# Altium PCB Communication-Shield.PcbDoc (continued)
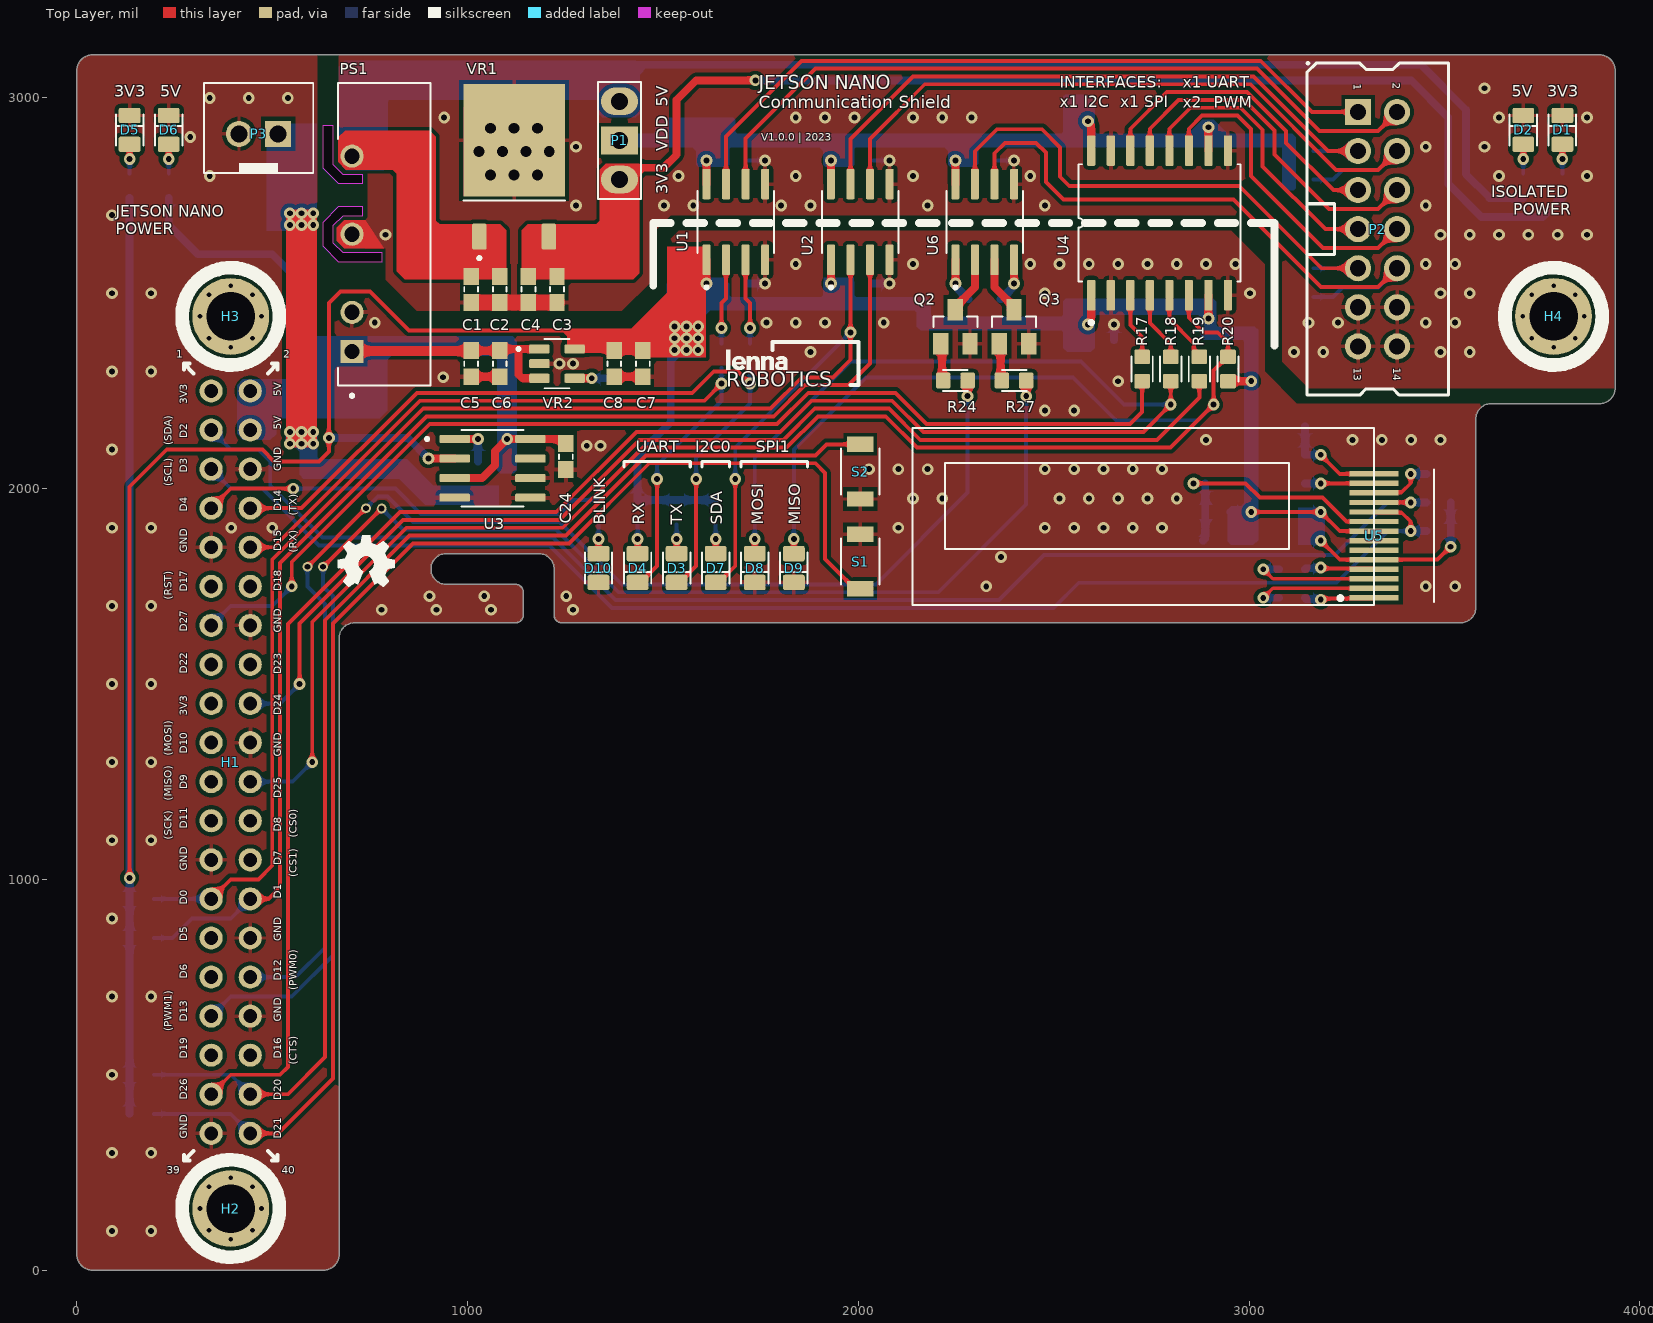
[diagram p0: Top Layer view]
## Footprints (in the part's own frame and the unit in brackets; to place one, negate y for a bottom-side part, rotate by r counter-clockwise, add the part's x,y. Pads: shape width x height; smd on the part's side, far side on the other; paste and mask are expansions set on the pad) (continued)
SOIC-16 [mil] "SOIC-16 Package"
  rrect25% 78x21 smd: 1(-185,175) 2(-185,125) 3(-185,75) 4(-185,25) 5(-185,-25) 6(-185,-75) 7(-185,-125) 8(-185,-175) 9(185,-175) 10(185,-125) 11(185,-75) 12(185,-25) 13(185,25) 14(185,75) 15(185,125) 16(185,175)
  silkscreen extent -260,-207 150,207, body extent -203,-204 203,204, height 104
SOT23-5 [mm] "SOT23-5L Package"
  rrect25% 1.32x0.59 smd: 1(-1.145,0.95) 2(-1.145,0) 3(-1.145,-0.95) 4(1.145,-0.95) 5(1.145,0.95)
  silkscreen extent -2.6,-1.6 0.8,1.6, body extent -1.4,-1.48 1.4,1.47, height 1.19
SOT-23 [mm] "SOT-23 Package"
  rect 1x1.4 smd: 1(0,1.1) 2(-0.95,-1.1) 3(0.95,-1.1)
  silkscreen extent -1.42,0 1.42,0.66, body extent -1.45,-1.2 1.45,1.2, height 1.14
"SSD1306 OLED 0.91\"" [mm] "SSD1306 OLED 0.91\""
  rect 3.2x0.35 smd paste+0: 1(30.002,-11.031) 2(30.002,-10.411) 3(30.002,-9.791) 4(30.002,-9.171) 5(30.002,-8.551) 6(30.002,-7.931) 7(30.002,-7.311) 8(30.002,-6.691) 9(30.002,-6.071) 10(30.002,-5.451) 11(30.002,-4.831) 12(30.002,-4.211) 13(30.002,-3.591) 14(30.002,-2.971)
  silkscreen extent 0,-11.5 33.91,0, body extent 0,-11.51 34.07,0, height 0.51
"Tactile Switch SMD - 2" [mm] "2.5*3mm"
  rect 1x1.7 smd: 1(-1.778,0) 2(1.778,0)
  silkscreen extent -1.5,-1.25 1.5,1.25, body extent -2,-1.25 2,1.25, height 1.75
"XH Connector 2-Pin" [mm]
  rect 1.7x1.7 hole 1.1: 1(0,0)
  round 1.7 hole 1.1: 2(2.54,0)
  silkscreen extent -2.29,-3.3 4.83,2.54, body extent -2.32,-3.35 4.86,2.49, height 7.21

## Part data
C1 C2 C3 C4 C5 C6 C7 C8 C9 C10 C11 C12 C13 C14 C15 C16 C17 C18 C19 C20 C21 C22 C23 C24 C25 C26 C27 C28 C29 C30 C31 C32 C33 C34 C35: "Capacitor", LatestRevisionDate=17-Jul-2002, LatestRevisionNote="Re-released for DXP Platform.", PackageDescription="Radial Cap, Thru-Hole; 2 Leads; 0.3 in Pin Spacing", PackageReference=RAD-0.3, Published=8-Jun-2000, Publisher="Altium Limited"
D1 D2 D3 D4 D5 D6 D7 D8 D9 D10: library part LED2, "Typical RED, GREEN, YELLOW, AMBER GaAs LED", LatestRevisionDate=17-Jul-2002, LatestRevisionNote="Re-released for DXP Platform.", PackageDescription="SM LED; 2 Flat Leads", PackageReference=3.2X1.6X1.1, PackageVersion=Feb-2002, Published=8-Jun-2000, Publisher="Altium Limited"
D11: library part Diode, "Default Diode", Code_JEDEC=DO-214-AB, LatestRevisionDate=17-Jul-2002, LatestRevisionNote="Re-released for DXP Platform.", PackageDescription="DO-214-AB/SMC; 2 C-Bend Leads; Body 7.9 x 5.9 mm, inc. leads (LxW)", PackageReference=SMC, PackageVersion=Sep-1996, Published=8-Jun-2000, Publisher="Altium Limited"
H2 H3 H4: "PCB MOUNTING SCREW"
P1: "Header, 3-Pin", LatestRevisionDate=17-Jul-2002, LatestRevisionNote="Re-released for DXP Platform.", Publisher="Altium Limited"
P2: "Header, 7-Pin, Dual row", LatestRevisionDate=17-Jul-2002, LatestRevisionNote="Re-released for DXP Platform.", Publisher="Altium Limited"
P3: "Header, 2-Pin", LatestRevisionDate=17-Jul-2002, LatestRevisionNote="Re-released for DXP Platform.", Publisher="Altium Limited"
PS1: "Compact, isolated DC-DC Converter module"
Q1: "P-Channel MOSFET", LatestRevisionDate=17-Jul-2002, LatestRevisionNote="Re-released for DXP Platform.", PackageDescription="TO, Flat Index; 3 In-Line, Axial Leads; Body Dia. 4.6mm; Lead Dia. 0.5 mm (max)", PackageReference=E3, PackageVersion=1995/1996, Published=8-Jun-2000, Publisher="Altium Limited"
Q2 Q3: "NPN Bipolar Transistor", Code_JEDEC=TO-226-AA, LatestRevisionDate=17-Jul-2002, LatestRevisionNote="Re-released for DXP Platform.", PackageDescription="TO, Flat Index; 3 In-Line, Axial Leads; Body Dia. 4.8mm; Leads 0.55 x 0.51 mm (max)", PackageReference=TO-226-AA, Published=8-Jun-2000, Publisher="Altium Limited"
R1 R2 R3 R4 R5 R6 R7 R8 R9 R10 R11 R12 R13 R14 R15 R16 R17 R18 R19 R20 R21 R22 R23 R24 R25 R26 R27 R28 R29 R30 R31 R32: "Resistor", LatestRevisionDate=17-Jul-2002, LatestRevisionNote="Re-released for DXP Platform.", PackageDescription="Axial Device, Thru-Hole; 2 Leads; 0.3 in Pin Spacing", PackageReference=AXIAL-0.3, Published=8-Jun-2000, Publisher="Altium Limited"
S1 S2: "Switch", LatestRevisionDate=17-Jul-2002, LatestRevisionNote="Re-released for DXP Platform.", PackageDescription="Switch; 2 Leads", PackageReference=SPST-2, Published=24-Mar-1999, Publisher="Altium Limited"
U1: "Dual-Channel, Digital Isolators, Enhanced System-Level ESD Reliability"
U2: "Hot Swappable, Dual I2C Isolators"
U3: "2-Channel, 1MHz, industry standard, 32V Op-Amp"
U4: "Quad-Channel Digital Isolators"
U5: "This is a general OLED display Module, 0.91inch diagonal, 128x32 pixels, with embedded controller, communicating via I2C interface."
U6: "optocouplers consist of an AlGaAs LED optically coupled to a / high speed photodetector transistor."
VR1: "Very low drop voltage regulator with inhibit function"
VR2: "Ultra low drop and low noise BiCMOS voltage regulators"

## Via types
v1: diameter 30, hole 15, Top Layer to Bottom Layer, tented both sides, 226 vias
v2: diameter 50, hole 28, Top Layer to Bottom Layer, tented bottom, 10 vias
v3: diameter 25, hole 15, Top Layer to Bottom Layer, tented both sides, 4 vias

## Nets (pads, with @x,y where several pads share a name; then routed paths per layer and width w, separated by ;. In a path a pad name is that pad's centre, name@x,y a point inside that pad or via, vN(x,y) a via of type N, cw(c..) or ccw(c..) an arc to the next point about the centre after c; other vN are vias at no path point)
+3.3: C7.2 C8.2 C17.1 C22.1 C25.1 C33.1 C34.1 D11.2 R3.1 R5.1 R6.1 R7.1 R12.2 R13.2 R20.1 R21.2 R22.2 R23.2 R26.1 R30.1 R31.1 R32.1 U1.1 U2.1 U3.2 U4.1 U4.7 U5.5 U5.8 VR2.5 | length 7487.4
  Top Layer w10: v1(135,1003.75) 135,2005 230,2100 475,2100 505,2070 620,2070 645,2095 v1(645,2130) 645,2475 675,2505 750,2505 850,2405 1255,2405 1265,2395 1270,2395 ; v1(3005.88,1940.27) v1(3183.46,1940.27) 3232.28,1891.45 U5.8 ; v1(3183.46,1867.05) 3232.28,1818.23 U5.5 3482.88,1818.23 v1(3516.1,1851.45)
  Top Layer w20: v1(900,2077.11) U3.2 ; VR2.5@1259.55,2357.4 VR2.5 1371.36,2357.4 C8.2 C7.2 ; v1(1611.42,2525.2) U1.1 ; v1(1930,2525.2) U2.1 ; v1(2587.69,2420) 2587.69,2425.41 2596.15,2433.88 U4.1 ; v1(2896.15,2435.55) U4.7 ; R20.1 v1(3005.88,2275.24)
  Bottom Layer w20: R22.2 R21.2 R13.2 R12.2 v1(135,1003.75) R3.1 ; v1(645,2130) 847.11,2130 v1(900,2077.11) ; v1(1530,2355) 1520,2355 1520,2170 1435,2085 R6.1 R5.1 R7.1 ; R32.1 R32.1@2960.91,1932 ; R32.1@2960.91,1940.27 v1(3005.88,1940.27) ; v1(3183.46,1867.05) C34.1 C33.1 v1(3183.46,1940.27) ; v1(3516.1,1851.45) R30.1 R31.1
  other v1: 1560,2355 1590,2355 1530,2385 1560,2385 1590,2385 1530,2415 1560,2415 1590,2415
+3V3_SIG: C3.2 C4.2 P1.3 R1.1 VR1.3 | length 3008.1
  Top Layer w10: C4.2 C3.2 1228.84,2584.79 1216.82,2596.81 1216.82,2636.49 VR1.3
  Top Layer w20: P1.3@1417.17,2821.39 1501.39,2821.39 1535,2855 1535,2995 1585,3045 v1(1736.42,3045)
  Bottom Layer w20: v1(1736.42,3045) 3415,3045 3510,2950 3510,2780 3595,2695 3751.26,2695 3800.43,2744.17 R1.1
+5V_PWR: C19.1 C20.1 C21.1 P3.1 Q1.1
  other v1: 545,2115 575,2115 605,2115 545,2145 575,2145 605,2145 545,2675 575,2675 605,2675 545,2705 575,2705 605,2705
+5V_SIG: C1.2 C2.2 C15.1 C16.1 P1.1 PS1.6 R2.1 VR1.1 | length 2719.8
  Top Layer w10: VR1.1 1021.18,2636.49 1021.18,2596.81 1009.16,2584.79 C1.2 C2.2
  Bottom Layer w20: 1410,3070 1425,3085 3440,3085 3555,2970 3555,2805 3615.83,2744.17 R2.1
CS0_JET: H1.18 R19.2 | length 2952.8
  Top Layer w10: v1(570,1500) 570,1654.85 835.15,1920 1235.15,1920 1440.15,2125 1808.43,2125 1888.43,2205 2078.43,2205 2158.43,2125 2765,2125 2872.93,2232.93 R19.2
  Bottom Layer w10: H1.18 520,1450 v1(570,1500)
CTS_JET: H1.36
D18: H1.12
D19: H1.35
GND: C5.1 C6.1 C7.1 C8.1 C12.1 C13.2 C14.2 C17.2 C19.2 C20.2 C21.2 C22.2 C24.2 C25.2 C30.2 C31.2 C32.2 C33.2 C34.2 C35.2 D5.2 D6.2 D8.2 D9.2 D10.2 H1.6 H1.9 H1.14 H1.20 H1.25 H1.30 H1.34 H1.39 P3.2 PS1.2 Q2.3 Q3.3 R25.1 S1.2 S2.2 U1.4 U2.4 U3.4 U3.5 U3.6 U4.2 U4.8 U5.7 VR2.2 | length 269.5
  Top Layer w20: C5.1 C6.1 ; C8.1 C7.1
  Bottom Layer w20: C17.2 v1(1761.42,2525.2) ; C22.2 v1(2080,2525.2) ; C25.2 v1(2654.62,2420)
  other v1: 90,100 190,100 90,300 190,300 90,500 90,700 190,700 90,900 90,1100 190,1100 90,1300 190,1300 90,1500 190,1500 780,1690 920,1690 1060,1690 1270,1690 90,1700 190,1700 902.5,1725 1042.5,1725 1252.5,1725 2327.5,1750 3452.5,1750 3527.5,1750 2365,1825 90,1900 190,1900 395,1900 500,1900 2102.5,1900 2477.5,1900 2552.5,1900 2627.5,1900 2702.5,1900 2777.5,1900 2140,1975 2215,1975 2515,1975 2590,1975 2665,1975 2740,1975 2815,1975 2027.5,2050 2102.5,2050 2177.5,2050 2477.5,2050 2552.5,2050 2627.5,2050 2702.5,2050 2777.5,2050 90,2100 1305,2110 1340,2110 2890,2125 3265,2125 3340,2125 3415,2125 3490,2125 2477.5,2200 2552.5,2200 2665,2275 937.5,2285 90,2300 190,2300 1235,2320 1270,2320 1877.5,2350 762.5,2425 1765,2425 1840,2425 1915,2425 2065,2425 90,2500 190,2500 2477.5,2500 3002.5,2500 1840,2575 2140,2575 2440,2575 2515,2575 2590,2575 2665,2575 2740,2575 2815,2575 2890,2575 2965,2575 90,2700 340,2800 290,2900 340,3000 440,3000 540,3000
GND_SIG: C1.1 C2.1 C3.1 C4.1 C9.2 C10.2 C11.2 C15.2 C16.2 C18.2 C23.2 C26.2 C27.2 D1.2 D2.2 P2.11 P2.12 P2.13 P2.14 PS1.4 R28.2 R29.2 U1.5 U2.5 U4.9 U4.15 U6.5 VR1.2 | length 344.3
  Top Layer w40: C1.1 C2.1 C4.1 C3.1
  Bottom Layer w10: C18.2 v1(1761.42,2840) ; C23.2 v1(2080,2840) ; C27.2 v1(2398.58,2840)
  other v1: 3115,2350 3190,2350 3490,2350 3565,2350 3152.5,2425 3227.5,2425 3452.5,2425 3527.5,2425 3490,2500 3565,2500 3452.5,2575 3527.5,2575 790,2650 3490,2650 3565,2650 3640,2650 3715,2650 3790,2650 3865,2650 1277.5,2725 1502.5,2725 1577.5,2725 1802.5,2725 1877.5,2725 2177.5,2725 2477.5,2725 3452.5,2725 1540,2800 1840,2800 2140,2800 2440,2800 3640,2800 3865,2800 1277.5,2875 3452.5,2875 3602.5,2875 940,2950 1840,2950 1915,2950 1990,2950 2140,2950 2215,2950 2290,2950 3640,2950 3865,2950 3602.5,3025
  other v2: 1059,2802.5 1119,2802.5 1179,2802.5 1029,2862.5 1089,2862.5 1149,2862.5 1209,2862.5 1059,2922.5 1119,2922.5 1179,2922.5
I2C2_SCL: H1.5 R30.2 U5.10 | length 3476.8
  Top Layer w10: U5.10 3321.89,1938.38 3390.98,1938.38 3413.9,1915.46 v1(3413.9,1891.45)
  Bottom Layer w10: H1.5 393.7,2000 475,2000 620,1855 1210,1855 1370,1695 2500,1695 2564.13,1759.13 3224.13,1759.13 3356.45,1891.45 v1@3423.9,1891.45
  Bottom Layer w20: v1(3413.9,1891.45) R30.2
I2C2_SDA: H1.3 R31.2 U5.11 | length 3523.9
  Top Layer w10: U5.11 v1(3413.9,1964.68)
  Bottom Layer w10: H1.3 393.7,2100 465,2100 495,2070 495,2008.28 628.28,1875 1218.43,1875 1378.43,1715 2360,1715 2475,1830 3220,1830 3354.68,1964.68 v1(3413.9,1964.68) v1@3423.9,1964.68
  Bottom Layer w20: v1@3423.9,1964.68 R31.2
LED_BLINK: H1.7 R16.1 | length 1053.8
  Top Layer w10: H1.7 393.7,2000 v1(553.7,2000)
  Bottom Layer w10: v1(553.7,2000) 815,2000 880,1935 1235,1935 1270.83,1970.83 R16.1
MISO_JET: H1.22 R10.1 R20.2 U4.6 | length 4842.7
  Top Layer w10: v1(602.5,1300) 602.5,1659.07 843.43,1900 1243.43,1900 1448.43,2105 1816.72,2105 1896.72,2185 2070.15,2185 2150.15,2105 2799.3,2105 v1(2909.54,2215.24) 2909.54,2302.4 R20.2@2945,2337.86 ; U4.6 2846.15,2437.44 2883.59,2400 2920,2400 2946.15,2373.85 R20.2
  Bottom Layer w10: H1.22 552.5,1250 v1(602.5,1300) ; R10.1 1835,2100 2020,2285 2550,2285 2660,2175 2869.3,2175 v1(2909.54,2215.24)
MISO_SIG: P2.8 U4.11 | length 833.9
  Top Layer w10: U4.11 2846.15,2921.15 2880,2955 2970.29,2955 3005,2920.29 3005,2800 3189.25,2615.75 3330.64,2615.75 P2.8
MOSI_JET: H1.37 R8.1 R18.2 | length 5298
  Top Layer w10: H1.37 393.7,500 520,500 540,520 540,1653.14 826.86,1940 1226.86,1940 1431.86,2145 1800.15,2145 1880.15,2225 2086.72,2225 2166.72,2145 2729.46,2145 v1(2799.7,2215.24) R18.2
  Bottom Layer w10: R8.1 1735,2080 1980,2325 2570,2325 2679.76,2215.24 v1(2799.7,2215.24)
MOSI_SIG: P2.6 U4.13 | length 891.4
  Top Layer w10: U4.13 2746.15,2921.15 2820,2995 2986.86,2995 3065,2916.86 3065,2855 3204.25,2715.75 3330.64,2715.75 P2.6
NetC12_2: C12.2 VR2.4 | length 87.6
  Top Layer w20: VR2.4 v1(1317.73,2282.6)
  Bottom Layer w20: v1(1317.73,2282.6) C12.2
NetC28_1: C28.1 U5.1 | length 180.3
  Top Layer w10: v1(3183.46,1716) 3186.16,1718.7 3318.11,1718.7 U5.1
  Bottom Layer w20: C28.1 3146.14,1717.91 3181.55,1717.91 v1(3183.46,1716)
NetC28_2: C28.2 U5.2 | length 333.6
  Top Layer w8: v1(3036.54,1720.59) 3060.95,1745 U5.2
  Bottom Layer w20: v1(3036.54,1720.59) C28.2
NetC29_1: C29.1 U5.3 | length 333.6
  Top Layer w8: v1(3036.54,1793.82) 3060.95,1769.41 U5.3
  Bottom Layer w20: v1(3036.54,1793.82) C29.1
NetC29_2: C29.2 U5.4 | length 180.3
  Top Layer w10: v1(3183.46,1798.41) 3186.16,1795.71 3318.11,1795.71 U5.4
  Bottom Layer w20: C29.2 3146.14,1796.5 3181.55,1796.5 v1(3183.46,1798.41)
NetC30_1: C30.1 U5.13 | length 176.5
  Top Layer w10: v1(3183.46,2013.5) U5.13
  Bottom Layer w20: C30.1 v1(3183.46,2013.5)
NetC31_1: C31.1 C32.1 U5.14 | length 270
  Top Layer w10: v1(3183.46,2086.73) 3232.28,2037.91 U5.14
  Bottom Layer w20: C32.1 C31.1 v1(3183.46,2086.73)
NetC35_1: C35.1 D11.1 R32.2 U5.9 | length 681.7
  Top Layer w10: v1(2858.07,2013.5) 2991.5,2013.5 3028.07,1976.93 3188.07,1976.93 3249.02,1915.98 U5.9@3319.88,1915.98
  Bottom Layer w6: v1(2858.07,2013.5) C35.1
  Bottom Layer w20: D11.1 2883.23,1867.05 2888.07,1871.89 C35.1
NetD1_1: D1.1 R1.2 | length 75
  Top Layer w10: v1(3802.01,2843.88) D1.1
  Bottom Layer w10: R1.2 v1(3802.01,2843.88)
NetD2_1: D2.1 R2.2 | length 75
  Top Layer w10: v1(3702.01,2843.88) D2.1
  Bottom Layer w10: R2.2 v1(3702.01,2843.88)
NetD3_1: D3.1 R5.2 | length 75
  Top Layer w10: D3.1 v1(1535,1871.12)
  Bottom Layer w10: v1(1535,1871.12) R5.2
NetD4_1: D4.1 R6.2 | length 75
  Top Layer w10: D4.1 v1(1435,1871.12)
  Bottom Layer w10: v1(1435,1871.12) R6.2
NetD5_1: D5.1 R3.2 | length 75
  Top Layer w10: v1(135,2843.88) D5.1
  Bottom Layer w10: R3.2 v1(135,2843.88)
NetD6_1: D6.1 R4.2 | length 75
  Top Layer w10: v1(235,2843.88) D6.1
  Bottom Layer w10: R4.2 v1(235,2843.88)
NetD7_1: D7.1 R7.2 | length 75
  Top Layer w10: D7.1 v1(1635,1871.12)
  Bottom Layer w10: v1(1635,1871.12) R7.2
NetD8_1: D8.1 R8.2 | length 75
  Top Layer w10: D8.1 v1(1735,1871.12)
  Bottom Layer w10: v1(1735,1871.12) R8.2
NetD9_1: D9.1 R10.2 | length 75
  Top Layer w10: D9.1 v1(1835,1871.12)
  Bottom Layer w10: v1(1835,1871.12) R10.2
NetD10_1: D10.1 R16.2 | length 75
  Top Layer w10: D10.1 v1(1335,1871.12)
  Bottom Layer w10: v1(1335,1871.12) R16.2
NetQ1_2: Q1.2 U3.1 | length 116.9
  Top Layer w20: U3.1 v1(1026.42,2127.11)
  Bottom Layer w20: Q1.2 v1(1026.42,2127.11)
NetQ2_1: Q2.1 U6.2 | length 148.9
  Top Layer w20: Q2.1 2248.58,2465.32 2298.58,2515.32 U6.2
NetQ2_2: Q2.2 R24.1 | length 96.6
  Top Layer w20: Q2.2 2214.32,2367.68 2214.32,2279.96 R24.1
NetQ3_1: Q3.1 U6.3 | length 148.9
  Top Layer w20: U6.3 2348.58,2515.32 2398.58,2465.32 Q3.1
NetQ3_2: Q3.2 R27.1 | length 96.6
  Top Layer w20: Q3.2 2364.32,2367.68 2364.32,2279.96 R27.1
NetR9_1: R9.1 U1.2 | length 219.3
  Top Layer w10: v1(1649.81,2411.1) 1649.81,2474.81 1661.42,2486.42 U1.2
  Bottom Layer w10: R9.1 v1(1649.81,2411.1)
NetR11_1: R11.1 U1.3 | length 219.3
  Top Layer w10: U1.3 1711.42,2486.42 1723.04,2474.81 v1(1723.04,2411.1)
  Bottom Layer w10: R11.1 v1(1723.04,2411.1)
NetR17_1: R17.1 U4.3 | length 170.4
  Top Layer w10: U4.3 2696.15,2418.85 2726.47,2388.53 R17.1
NetR18_1: R18.1 U4.4 | length 180
  Top Layer w10: U4.4 2746.15,2423.85 2799.7,2370.3 R18.1
NetR19_1: R19.1 U4.5 | length 189.8
  Top Layer w10: U4.5 2796.15,2433.85 2859.06,2370.94 2859.06,2350.94 2872.56,2337.44 R19.1
NetR23_1: R23.1 U6.1 | length 115.7
  Top Layer w20: v1(2248.58,2525) U6.1
  Bottom Layer w20: v1(2248.58,2525) 2250.49,2523.09 2250.49,2515.85 2281.34,2485 R23.1
NetR25_2: R25.2 U5.12 | length 168.2
  Top Layer w10: U5.12 3321.89,1990.98 3390.98,1990.98 3413.9,2013.9 v1(3413.9,2037.91)
  Bottom Layer w20: v1(3413.9,2037.91) R25.2
NetR26_2: R26.2 U6.4 | length 115.7
  Top Layer w20: v1(2398.58,2525) U6.4
  Bottom Layer w20: R26.2 2365.82,2485 2396.66,2515.85 2396.66,2523.09 v1(2398.58,2525)
PWM0_JET: H1.32 R24.2 | length 3457.8
  Top Layer w10: v3(590,1800) v3(740,1950)
  Top Layer w20: v1(2279.68,2236.81) R24.2
  Bottom Layer w10: H1.32 560,750 635,825 635,1705 590,1750 v3(590,1800) ; v3(740,1950) 770,1980 795,1980 860,1915 1235,1915 1395,1755 2045,1755 2279.68,1989.68 v1(2279.68,2236.81)
PWM0_SIG: P2.9 R29.1 U6.7 | length 1393.2
  Top Layer w10: U6.7 2298.58,2863.58 2355,2920 2470,2920 2516.64,2873.36 2516.64,2798.36 2540,2775 2975,2775 3185.79,2564.21 P2.9
  Bottom Layer w10: R29.1 P2.9
PWM2_JET: H1.33 R27.2 | length 3741.4
  Top Layer w10: v3(630,1800) 630.31,1800 779.69,1949.37 v3(780,1949.37)
  Top Layer w20: v1(2429.68,2236.81) R27.2
  Bottom Layer w10: H1.33 393.7,700 550,700 655,805 655,1725 630,1750 v3(630,1800) ; v3(780,1949.37) 834.37,1895 1226.72,1895 1386.72,1735 2205,1735 2429.68,1959.68 v1(2429.68,2236.81)
PWM2_SIG: P2.10 R28.1 U6.6 | length 1581.8
  Top Layer w10: U6.6 2348.58,2858.58 2375,2885 2455,2885 2480,2860 2480,2785 2525,2740 2960,2740 3184.25,2515.75 3330.64,2515.75 P2.10
  Bottom Layer w10: R28.1 3214.94,2490.98 3238.95,2515 3329.89,2515 P2.10
RTS_JET: H1.11
RX_JET: D4.2 H1.10 R9.2 | length 2022.3
  Top Layer w10: H1.10 503.28,1850 878.28,2225 1605.91,2225 v1(1649.81,2268.9) ; D4.2 1443.27,1760 1485,1801.73 v1(1485,2025)
  Bottom Layer w10: v1(1485,2025) 1485,2060 1649.81,2224.81 v1(1649.81,2268.9) R9.2
RX_SIG: P2.1 U1.7 | length 1873.9
  Top Layer w10: U1.7 1661.42,2901.42 1855,3095 3030,3095 3160.79,2964.21 P2.1
SCK_JET: H1.13 R17.2 | length 2790.4
  Top Layer w10: v1(550,1750) 550,1811.86 903.14,2165 1791.86,2165 1871.86,2245 2095,2245 2175,2165 2695,2165 2726.47,2196.47 R17.2
  Bottom Layer w10: H1.13 393.7,1700 500,1700 v1(550,1750)
SCK_SIG: P2.5 U4.14 | length 799.2
  Top Layer w10: U4.14 2696.15,2921.15 2790,3015 2995.15,3015 3095,2915.15 3095,2885 3215.79,2764.21 P2.5
SCL_JET: H1.28 R13.1 U2.3 | length 3193.6
  Top Layer w10: H1.28 490,950 520,980 520,1810.15 894.85,2185 1783.58,2185 1863.58,2265 1975,2265 2030,2320 U2.3
  Bottom Layer w10: R13.1 245,850 295,900 393.7,900 H1.28
SCL_SIG: P2.4 R14.1 U2.6 | length 1877.8
  Top Layer w10: U2.6 2030,2895 2170,3035 3003.43,3035 3222.68,2815.75 3330.64,2815.75 P2.4
  Bottom Layer w10: R14.1 3214.94,2790.98 3238.95,2815 3329.89,2815 P2.4
SDA_JET: D7.2 H1.27 R12.1 U2.2 | length 3856.8
  Top Layer w10: H1.27 393.7,1000 465,1000 500,1035 500,1818.43 886.57,2205 1775.29,2205 1855.29,2285 1935,2285 1980,2330 v1(1980,2400) U2.2 ; D7.2 1643.27,1760 1685,1801.73 v1(1685,2025) v1@1685,2025.12
  Bottom Layer w10: R12.1 H1.27 ; v1(1685,2025) 1685,2105 v1(1980,2400)
SDA_SIG: P2.3 R15.1 U2.7 | length 1673.9
  Top Layer w10: U2.7 1980,2895 2140,3055 3011.72,3055 3202.5,2864.21 P2.3
  Bottom Layer w10: R15.1 P2.3
SS0_SIG: P2.7 U4.12 | length 744.7
  Top Layer w10: U4.12 2796.15,2921.15 2850,2975 2978.58,2975 3035,2918.58 3035,2825 3195.79,2664.21 P2.7
SW_1: H1.38 R21.1 S2.1 | length 3172.6
  Top Layer w10: H1.38 540,450 635,545 635,1663.28 851.72,1880 1251.72,1880 1456.72,2085 1890,2085 1918.52,2113.52 S2.1
  Bottom Layer w10: R21.1 393.7,500 H1.38
SW_2: H1.40 R22.1 S1.1 | length 3483.5
  Top Layer w10: H1.40 515,350 655,490 655,1655 860,1860 1260,1860 1465,2065 1890,2065 1915,2040 1915,1819.74 1991.22,1743.52 S1.1
  Bottom Layer w10: R22.1 393.7,400 H1.40
TX_JET: D3.2 H1.8 R11.2 | length 2068.8
  Top Layer w10: H1.8 575,1950 870,2245 1575,2245 1630,2300 1691.94,2300 v1(1723.04,2268.9) ; D3.2 1543.27,1760 1585,1801.73 v1(1585,2025)
  Bottom Layer w10: v1(1585,2025) 1585,2080 1723.04,2218.04 v1(1723.04,2268.9) R11.2
TX_SIG: P2.2 U1.6 | length 1945.1
  Top Layer w10: U1.6 1711.42,2896.42 1890,3075 3020,3075 3180,2915 3329.89,2915 P2.2
VCC: C5.2 C6.2 C13.1 C14.1 C24.1 H1.2 H1.4 PS1.1 Q1.3 R4.1 U3.3 U3.8 VR2.1 VR2.3 | length 1660.7
  Top Layer w20: U3.3 1037.11,2027.11 1070,2060 1070,2095.89 v1(1101.22,2127.11) U3.8 1241.7,2127.11 1251.38,2117.42 C24.1 ; C5.2 C6.2 1086.32,2357.4 1135.04,2357.4 ; VR2.3 1139.96,2282.6 1130,2292.55 1130,2352.36 1135.04,2357.4 ; VR2.1 1135.04,2357.4
  Top Layer w25: PS1.1@705.33,2352.32 1008.02,2352.32 C5.2
  Bottom Layer w20: R4.1 235,2675 310,2600 500,2600 565,2535 565,2347.11
  Bottom Layer w25: Q1.3 v1(1101.22,2127.11)
VDD_SIG: C9.1 C10.1 C11.1 C18.1 C23.1 C26.1 C27.1 P1.2 R14.2 R15.2 U1.8 U2.8 U4.10 U4.16 U6.8 | length 319.7
  Top Layer w20: U1.8 v1(1611.42,2840) ; U2.8 v1(1930,2840) ; U6.8 v1(2248.58,2840) ; v1(2587.69,2940.55) 2587.69,2937.85 2596.15,2929.38 U4.16 ; U4.10 v1(2896.15,2925)
pads on no net: H1.1 H1.15 H1.16 H1.17 H1.19 H1.21 H1.23 H1.24 H1.26 H1.29 H1.31 H2.S H3.S H4.S U3.7 U5.6

## Polygon pours and split planes (outlines as drawn)
GND on Top Layer "GND_L01_P003" (solid, remove dead copper, pour order 3): 39.37,3110.24 ccw(c39.37,3070.87) 0,3070.87 0,39.37 ccw(c39.37,39.37) 39.37,0 631.89,0 ccw(c631.89,39.37) 671.26,39.37 671.26,1617.32 cw(c710.63,1617.32) 710.63,1656.69 1122.87,1656.69 ccw(c1122.87,1676.38) 1142.56,1676.38 1142.56,1735.43 ccw(c1122.88,1735.43) 1122.87,1755.12 944.88,1755.12 cw(c944.88,1793.65) 906.35,1793.65 cw(c945.2,1795) 943.86,1833.86 1181.93,1833.86 cw(c1181.93,1794.49) 1221.3,1794.49 1221.3,1676.38 ccw(c1240.98,1676.38) 1240.98,1656.69 3541.34,1656.69 ccw(c3541.34,1696.06) 3580.71,1696.06 3580.71,2174.29 ccw(c3580,2174.29) 3580,2175 3580,2177.64 cw(c3620.08,2177.64) 3620.08,2217.72 3122.28,2217.72 3040,2300 3040,2575 2955,2660 1540,2660 1510,2630 1510,2500 1410,2400 855,2400 750,2505 675,2505 615,2565 615,3110
GND_SIG on Top Layer "GND_SIG_L01_P000" (solid, remove dead copper, pour order 0): 790,2535 870,2455 1395,2455 1470,2530 1470,2650 1520,2700 2980,2700 3085,2595 3085,2325 3152.91,2257.09 3935,2257.09 3935,3075 ccw(c3900.01,3075.01) 3900,3110 670,3110 670.02,3109.98 670.02,2834.98 690,2815 740,2815 745,2810 745,2694.29 737.77,2687.06 684.07,2687.06 665,2667.99 665,2635 684.8,2615.2 790,2615.2
GND on Bottom Layer "GND_L02_P004" (solid, remove dead copper, pour order 4): 39.37,3110.24 ccw(c39.37,3070.87) 0,3070.87 0,39.37 ccw(c39.37,39.37) 39.37,0 631.89,0 ccw(c631.89,39.37) 671.26,39.37 671.26,1617.32 cw(c710.63,1617.32) 710.63,1656.69 1122.87,1656.69 ccw(c1122.87,1676.38) 1142.56,1676.38 1142.56,1735.43 ccw(c1122.88,1735.43) 1122.87,1755.12 944.88,1755.12 cw(c944.88,1793.65) 906.35,1793.65 cw(c945.2,1795) 943.86,1833.86 1181.93,1833.86 cw(c1181.93,1794.49) 1221.3,1794.49 1221.3,1676.38 ccw(c1240.98,1676.38) 1240.98,1656.69 3541.34,1656.69 ccw(c3541.34,1696.06) 3580.71,1696.06 3580.71,2174.29 ccw(c3580,2174.29) 3580,2175 3580,2177.64 cw(c3620.08,2177.64) 3620.08,2217.72 3097.28,2217.72 3030,2285 3030,2595 2980,2645 1530,2645 1395,2510 780,2510 650,2510 610,2550 610,3110
GND_SIG on Bottom Layer "GND_SIG_L02_P002" (solid, remove dead copper, pour order 2): 670,3110 668.87,2836.13 688.69,2816.31 745,2816.31 745,2698.98 735.01,2687.06 684.07,2687.06 665,2667.99 665,2635 685,2615 1415,2615 1500,2700 3010,2700 3085,2625 3085,2315 3130,2270 3935,2270 3935,3075 ccw(c3900,3075) 3900,3110 670.03,3110

## Other copper
Top Layer:
  rectangle net GND_SIG: 989,2750 1249,2975
  rectangle net +3.3: 1255,2350 1530,2410
  rectangle net +5V_PWR: 535,2665 615,2715
  rectangle net +5V_PWR: 535,2105 615,2715
  rectangle net +5V_PWR: 535,2105 615,2155
  rectangle net +5V_PWR: 535,2105 615,2155
  rectangle net +3.3: 1435,2335.96 1545,2370.96
  region net +3.3: 1510,2620 1510,2335.96 1545,2335.96 1545,2620
  rectangle net +3.3: 1510,2335.96 1610,2620
  region net GND_SIG: 737.77,2687.06 684.07,2687.06 665,2667.99 665,2635 684.8,2615.2 785.24,2615.2
  region net +3.3: 1240,2405 1260,2405 1260,2385
  region net +3.3: 1410,2400 1515,2400 1515,2505
  region net +3V3_SIG: 1435,2795 1435,2815 1455,2815
  region net +3.3: 1495,2370 1515,2370 1515,2390
  region net +3V3_SIG: 1138.87,2661.31 1153.87,2676.31 1328.87,2676.31 1338.87,2686.31 1338.87,2816.31 1353.87,2831.31 1423.87,2831.31 1438.87,2816.31 1438.87,2551.31 1423.87,2536.31 1153.87,2536.31 1138.87,2551.31
  region net +5V_SIG: 838.69,2536.31 818.87,2556.13 818.87,2806.31 808.87,2816.31 688.69,2816.31 668.87,2836.13 668.87,2898.87 686.31,2916.31 903.69,2916.31 918.87,2901.13 918.87,2686.31 928.87,2676.31 1083.87,2676.31 1098.87,2661.31 1098.87,2551.31 1083.87,2536.31
Bottom Layer:
  rectangle net GND_SIG: 989,2750 1249,2975
  rectangle net +5V_PWR: 485,2660 615,2935
  region net +3.3: 3195,1856.16 3195,1951.16 3125,1951.16 3125,1856.16
  rectangle net +3.3: 1911.42,2485.2 1989.04,2540.2
  region net GND_SIG: 737.77,2687.06 684.07,2687.06 665,2667.99 665,2635 684.8,2615.2 785.24,2615.2
  region net +3.3: 1525,2335 1510,2350 1510,2525 1525,2540 1655,2540 1670,2525 1670,2495 1675,2490 1905,2490 1910,2495 1910,2530 1920,2540 1980,2540 1990,2530 1990,2495 1995,2490 2175,2490 2185,2480 2185,2445 2190,2440 2520,2440 2525,2445 2525,2480 2531.53,2486.53 2908.47,2486.53 2916,2479 2916,2419 2920,2415 3015,2415 3023.02,2406.98 3023.02,1868.02 3011.3,1856.3 2953.7,1856.3 2945,1865 2945,1945 2955,1955 2980,1955 2988.4,1963.4 2988.4,2376.6 2984.37,2380.63 2884.37,2380.63 2876.22,2388.78 2876.22,2438.78 2870,2445 2610,2445 2605,2440 2605,2360 2595,2350 2535,2350 2525,2360 2525,2400 2520,2405 2160,2405 2150,2415 2150,2450 2143.82,2456.18 1621.18,2456.18 1610,2445 1610,2350 1595,2335
  region net +5V_PWR: 535,2150 540,2155 605,2155 615,2145 615,2080 620,2075 845,2075 911.93,2008.07 1080,2008.07 1080,1958.33 891.67,1958.33 825,2025 580,2025 570,2035 570,2095 560,2105 540,2105 535,2110
  region net +3.3: 1545,2340 1525,2335 1525,2320
  region net VCC: 510,2170 510,2180 520,2180
  region net VDD_SIG: 1350,2873.81 1345,2878.81 1345,2903.81 1350,2908.81 1475,2908.81 1480,2913.81 1480,2943.81 1485,2948.81 1680,2948.81 1685,2943.81 1685,2913.81 1690,2908.81 2520,2908.81 2525,2913.81 2525,3003.81 2530,3008.81 2600,3008.81 2605,3003.81 2605,2913.81 2610,2908.81 2845,2908.81 2875,2938.81 2880,2943.81 2910,2943.81 2915,2938.81 2945,2908.81 3111.19,2908.81 3120,2900 3120,2768.81 3115,2763.81 3090,2763.81 3085,2768.81 3085,2873.81 2313.81,2873.81 2307.51,2867.51 2307.51,2831.32 2300,2823.81 2235,2823.81 2230,2828.81 2230,2863.81 2220,2873.81 1993.81,2873.81 1990,2870 1990,2828.81 1985,2823.81 1915,2823.81 1910,2828.81 1910,2863.81 1900,2873.81 1673.81,2873.81 1670,2870 1670,2828.81 1665,2823.81 1590,2823.81 1585,2828.81 1585,2863.81 1575,2873.81 1560,2873.81
  region net +5V_SIG: 1440,3060 1440,3080 1460,3080
  region net +5V_SIG: 690,2815 670,2835 670,3080 685,3095 1430,3095 1440,3085 1440,2960 1430,2950 1345,2950 1335,2960 1335,2990 1330,2995 800,2995 795,2990 795,2825 785,2815
  region net VCC: 595,2387.5 570,2387.5 570,2412.5
  region net VCC: 509.87,2180 509.87,2139.87 495,2125 425,2125 410.03,2139.97 410.03,2265.03 425,2280 545,2280 555.08,2290.08 555.08,2381.38 563.7,2390 1115,2390 1126.01,2378.99 1126.01,2047.31 1118.7,2040 1083.7,2040 1076.33,2047.37 1076.33,2328.67 1065,2340 805,2340 794.7,2329.7 794.7,2199.7 775,2180

## Silkscreen, mask and mechanical layers (free items; w line width, h text height)
Top Overlay:
  drawing of 40 lines, arcs and shapes, not listed
  text "INTERFACES:" at 2515,3015.53 h50
  text "x1 UART" at 2830,3015.53 h50
  text "JETSON NANO" at 1744.89,3010.76 h60
  text "3V3" at 95.01,3002.51 h30
  text "5V" at 213,3003 h30
  text "5V" at 3673,3003 h30
  text "3V3" at 3763,3002.51 h30
  text "5V" at 1512,2978 h30 r90
  text "x1 I2C" at 2515,2965.53 h50
  text "x1 SPI" at 2670,2965.59 h50
  text "x2" at 2830,2965 h50
  text "PWM" at 2910,2965 h50
  text "Communication Shield" at 1745,2962.44 h55
  text "V1.0.0 | 2023" at 1751,2891 h20
  text "VDD" at 1512,2863 h30 r90
  text "3V3" at 1512,2753 h30 r90
  text "ISOLATED" at 3620,2735.59 h50
  text "POWER" at 3675.88,2690.53 h50
  text "JETSON NANO" at 100,2685.59 h50
  text "POWER" at 100,2640.53 h50
  text "ROBOTICS" at 1661.78,2247.68 h65
  text "UART" at 1430.02,2093 h30
  text "I2C0" at 1582.52,2093 h30
  text "SPI1" at 1737.52,2093 h30
  text "BLINK" at 1352,1908 h30 r90
  text "RX" at 1452,1908 h30 r90
  text "TX" at 1550,1908 h30 r90
  text "SDA" at 1652,1908 h30 r90
  text "MOSI" at 1757,1908 h30 r90
  text "MISO" at 1852,1908 h30 r90
Bottom Overlay:
  lines w6: 3455,2730 3635,2730 ; 3455,2775 3635,2775 ; 3455,2820 3635,2820 ; 3455,2865 3635,2865 ; 3455,2910 3635,2910 ; 3455,2955 3635,2955 ; 3545,2685 3545,3000 ; 3455,2685 3455,3000 3635,3000 3635,2685 3455,2685
  text "RXD" at 3524,2966 h20
  text "TXD" at 3619,2966 h20
  text "SCL" at 3524,2921.49 h20
  text "SDA" at 3619,2921.49 h20
  text "MO" at 3524,2877.99 h20
  text "SCK" at 3619,2877.99 h20
  text "MI" at 3524,2831 h20
  text "SS" at 3599.01,2831 h20
  text "IO1" at 3524,2786 h20
  text "IO0" at 3615.67,2786 h20
  text "GND" at 3524,2741 h20
  text "GND" at 3619,2741 h20
  text "GND" at 3524,2696 h20
  text "GND" at 3619,2696 h20
Drill Guide:
  lines w5: 0,39.37 ccw(c39.37,39.37) 39.37,0 631.89,0 ccw(c631.89,39.37) 671.26,39.37 671.26,1617.32 cw(c710.63,1617.32) 710.63,1656.69 1122.87,1656.69 ccw(c1122.87,1676.38) 1142.56,1676.38 1142.56,1735.43 ccw(c1122.87,1735.43) 1122.87,1755.12 945.71,1755.12 cw(c945.71,1794.49) 906.34,1794.49 cw(c945.71,1794.49) 945.71,1833.86 1181.93,1833.86 cw(c1181.93,1794.49) 1221.3,1794.49 1221.3,1676.38 ccw(c1240.98,1676.38) 1240.98,1656.69 3541.34,1656.69 ccw(c3541.34,1696.06) 3580.71,1696.06 3580.71,2178.35 cw(c3620.08,2178.35) 3620.08,2217.72 3897.64,2217.72 ccw(c3897.64,2257.09) 3937.01,2257.09 3937.01,3070.87 ccw(c3897.64,3070.87) 3897.64,3110.24 39.37,3110.24 ccw(c39.37,3070.87) 0,3070.87 0,39.37 ; 630,2620 630,2682.37 670,2722.37 730,2722.37 730,2697.37 680,2697.37 655,2672.37 655,2630 680,2605 780,2605 780,2580 670,2580 630,2620 ; 630,2820 670,2780 730,2780 730,2805 680,2805 655,2830 655,2930 630,2930 630,2820

## Text inside footprints (layer, text, board x,y; h text height)
H1: Top Overlay "5V" at 522.7,2150.2 h20 r90; Top Overlay "(RX)" at 562.7,1836 h20 r90; Top Overlay "(CS1)" at 562.7,1006 h20 r90; Top Overlay "(SCL)" at 242.7,2006 h20 r90; Top Overlay "(SCK)" at 242.7,1101 h20 r90; Top Overlay "(MISO)" at 242.7,1201 h20 r90; Top Overlay "(MOSI)" at 242.7,1316 h20 r90; Top Overlay "(SDA)" at 242.7,2111 h20 r90; Top Overlay "D4" at 282.7,1941 h20 r90; Top Overlay "D22" at 282.7,1526.52 h20 r90; Top Overlay "GND" at 282.7,336 h20 r90; Top Overlay "D26" at 282.7,436 h20 r90; Top Overlay "D19" at 282.7,541 h20 r90; Top Overlay "D13" at 282.7,636 h20 r90; Top Overlay "D6" at 282.7,746 h20 r90; Top Overlay "D5" at 282.7,841 h20 r90; Top Overlay "D0" at 282.7,934.59 h20 r90; Top Overlay "GND" at 282.7,1022.14 h20 r90; Top Overlay "D11" at 282.7,1129.68 h20 r90; Top Overlay "D9" at 282.7,1231 h20 r90; Top Overlay "D10" at 282.7,1321 h20 r90; Top Overlay "3V3" at 282.7,1418.98 h20 r90; Top Overlay "D27" at 282.7,1634.07 h20 r90; Top Overlay "D17" at 282.7,1736 h20 r90; Top Overlay "GND" at 282.7,1836 h20 r90; Top Overlay "3V3" at 282.7,2216 h20 r90; Top Overlay "D3" at 282.7,2040.9 h20 r90; Top Overlay "D2" at 282.7,2128.45 h20 r90; Top Overlay "D21" at 522.7,336 h20 r90; Top Overlay "D20" at 522.7,435.12 h20 r90; Top Overlay "D16" at 522.7,540.91 h20 r90; Top Overlay "GND" at 522.7,636 h20 r90; Top Overlay "D12" at 522.7,741 h20 r90; Top Overlay "GND" at 522.7,841 h20 r90; Top Overlay "D1" at 522.7,951 h20 r90; Top Overlay "D7" at 522.7,1036.52 h20 r90; Top Overlay "D25" at 522.7,1208.11 h20 r90; Top Overlay "GND" at 522.7,1313.9 h20 r90; Top Overlay "D24" at 522.7,1419.68 h20 r90; Top Overlay "D23" at 522.7,1525.47 h20 r90; Top Overlay "GND" at 522.7,1631.26 h20 r90; Top Overlay "D18" at 522.7,1737.04 h20 r90; Top Overlay "D15" at 522.7,1839.5 h20 r90; Top Overlay "D14" at 522.7,1941.95 h20 r90; Top Overlay "5V" at 522.7,2235.99 h20 r90; Top Overlay "GND" at 522.7,2044.41 h20 r90; Top Overlay "1" at 253.7,2335 h20; Top Overlay "2" at 528.7,2335 h20; Top Overlay "40" at 524.7,246 h20; Top Overlay "39" at 229.7,246 h20; Top Overlay "(TX)" at 562.7,1931 h20 r90; Top Overlay "D8" at 522.7,1122.32 h20 r90; Top Overlay "(CS0)" at 562.7,1106 h20 r90; Top Overlay "(CTS)" at 562.7,526 h20 r90; Top Overlay "(RST)" at 242.7,1716 h20 r90; Top Overlay "(PWM0)" at 562.7,716 h20 r90; Top Overlay "(PWM1)" at 242.7,611 h20 r90
P2: Top Overlay "13" at 3268.36,2309.21 h20 r270; Top Overlay "14" at 3369.11,2309.21 h20 r270; Top Overlay "1" at 3268.36,3036.13 h20 r270; Top Overlay "2" at 3368.36,3039.46 h20 r270